# Altium PCB hep-0001.PcbDoc (part 2 of 2)
Units mm, origin at the board's own origin, x right, y up, seen from the top; angles counter-clockwise.
Board outline 120.4 x 43.4 mm, 4 copper layers (Top Layer, Signal_1, Signal_2, GND), stack 1.57 mm thick; 172 components, 149 nets, 569 pads, 218 vias.
Unrouted connection lines stored in the file: 1.
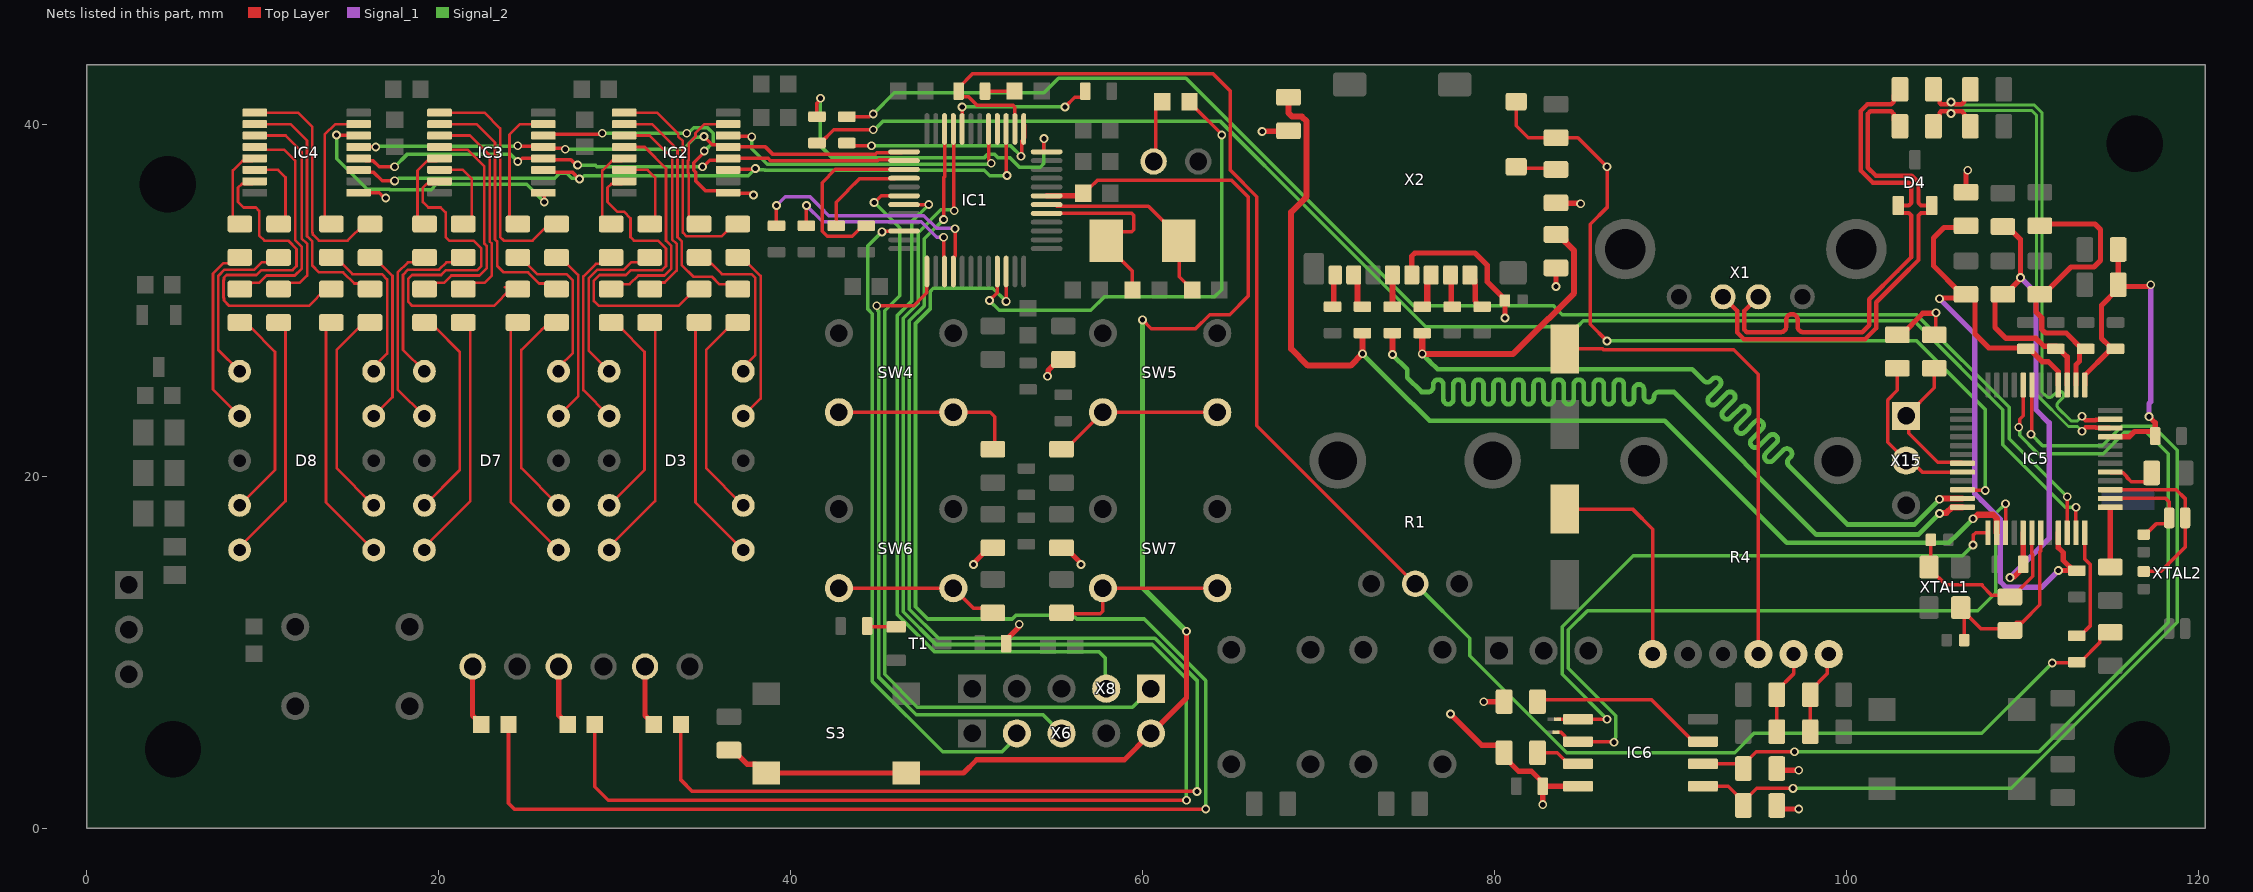
[diagram p4: the nets of this part, all layers, seen from the top]

## Via types
v1: diameter 0.5, hole 0.3, Top Layer to GND, tented bottom, 199 vias
v2: diameter 0.5, hole 0.3, Top Layer to GND, 12 vias
v3: diameter 0.4, hole 0.2, Top Layer to GND, tented bottom, 7 vias

## Nets (pads, with @x,y where several pads share a name; then routed paths per layer and width w, separated by ;. In a path a pad name is that pad's centre, name@x,y a point inside that pad or via, vN(x,y) a via of type N, cw(c..) or ccw(c..) an arc to the next point about the centre after c; other vN are vias at no path point) (continued)
IOVDD: C8.2 C48.1 IC6.8 R41.1 R44.1 R46.1 R47.2 R50.2 R56.1 R57.1 R58.1 R59.1 R70.2 R71.2 R72.2 R76.2 R80.1 X2.4 | length 37.7
  Top Layer w0.2: R47.2@105.075,28.15 v2@105.075,29.275
  Top Layer w0.3: v1(50.4,15) 50.438,15.038 50.438,15.113 51.375,16.05 R44.1@51.5,16.05 ; R59.1@52.25,10.5 52.25,10.7 52.962,11.412 52.962,11.562 v1(53,11.6) ; v1(54.6,25.7) 54.638,25.738 54.638,26.013 55.275,26.65 R41.1@55.5,26.65 ; R46.1@55.4,15.95 55.625,15.95 56.462,15.113 56.462,15.038 v1(56.5,15) ; v1(66.8,39.6) 66.825,39.625 68.275,39.625 R58.1@68.3,39.65 ; X2.4@75.305,31.45 75.305,32.529 75.481,32.705 78.895,32.705 79.6,32 79.6,31.05 80.6,30.05 C48.1@80.6,30 v1(80.6,29) ; v1(77.5,6.5) 79.269,4.731 80.225,4.731 80.55,4.406 R70.2@80.55,4.3 80.55,4.075 81.375,3.25 82.1,3.25 82.75,2.6 C8.2@82.75,2.4 ; v1(79.4,7.2) R71.2@80.55,7.2 ; v1@82.7,1.3 v1(82.75,1.35) C8.2@82.75,2.4 ; v1(83.5,30.8) R57.1@83.5,31.85 ; R80.1@83.75,35.5 83.775,35.525 84.875,35.525 v1(84.9,35.5) ; IC6.8@84.75,2.395 84.748,2.398 82.753,2.398 C8.2@82.75,2.4 ; R72.2@96.35,1.1 v1(97.3,1.1) ; R76.2@96.35,3.3 v1(97.3,3.3) ; R50.2@103,28.15 R50.2@102.9,28.05 103.125,28.05 104.35,29.275 105.075,29.275 v2(105.1,29.3) ; R56.1@106.8,36.05 106.8,37.246 106.9,37.346 v1(106.9,37.4)
LED1: IC1.45 R2.2 | length 27.2
  Top Layer w0.2: v1(51.3,30) 51.75,30.45 IC1.45@51.75,31.65 ; R2.2@62.67,41.3 62.67,41.275 64.5,39.445 v1(64.5,39.4)
  Signal_2 w0.2: v1(51.3,30) 51.85,29.45 57.07,29.45 57.82,30.2 64.083,30.2 64.5,30.617 v1(64.5,39.4)
LED2: IC1.46 R3.2 | length 94.6
  Top Layer w0.2: R3.2@23.97,5.9 23.97,1.43 24.3,1.1 v1(63.6,1.1) ; v1@52.2,29.9 v1(52.25,29.95) IC1.46@52.25,31.65
  Signal_2 w0.2: v1@52.2,30 51.5,30.7 48.117,30.7 47.95,30.533 47.95,29.545 47.1,28.695 47.1,13.14 47.1,12.605 47.805,11.9 48.34,11.9 52.593,11.9 52.793,12.1 56.058,12.1 56.258,11.9 60.103,11.9 63.6,8.403 v1(63.6,1.1)
LED3: IC1.21 R5.2 | length 91.2
  Top Layer w0.2: R5.2@28.87,5.9 28.87,2.37 29.64,1.6 v1(62.5,1.6) ; IC1.21@49.25,39.75 49.265,39.735 49.265,35.135 v1(49.3,35.1)
  Signal_2 w0.2: v1(49.3,35.1) 49.25,35.15 48.543,35.15 47.25,33.857 47.25,29.835 46.4,28.985 46.4,12.85 46.4,12.315 48.265,10.45 48.8,10.45 60.563,10.45 62.5,8.513 v1(62.5,1.6)
LED4: IC1.22 R10.2 | length 85.2
  Top Layer w0.2: R10.2@33.77,5.9 33.77,2.747 34.417,2.1 v1(63.1,2.1) ; v1(48.7,34.6) 48.7,36.991 48.75,37.041 IC1.22@48.75,39.75
  Signal_2 w0.2: v1(48.7,34.6) 47.6,33.5 47.6,29.69 46.75,28.84 46.75,12.46 48.41,10.8 60.708,10.8 63.1,8.408 v1(63.1,2.1)
NetC6_1: C6.1 IC1.5 Y1.1 | length 10.4
  Top Layer w0.2: IC1.5@54.55,34.95 59.383,34.95 59.5,34.833 59.5,34.017 59.383,33.9 58.45,33.9 Y1.1@57.95,33.4 ; Y1.1@58.2,32.8 58.3,32.8 59.43,31.67 C6.1@59.43,30.6
NetC9_1: C9.1 R67.1 | length 1.8
  Top Layer w0.2: R67.1@50.9,41.9 C9.1@52.73,41.9
NetC10_1: C10.1 IC1.6 Y1.2 | length 11.1
  Top Layer w0.2: IC1.6@55,35.5 55.14,35.36 60.34,35.36 62.05,33.65 Y1.2@62.05,33.4 ; Y1.2@62.1,33.3 62.1,31.355 62.83,30.625 C10.1@62.83,30.6
NetC13_2: C13.2 R4.3 R77.1 | length 4.8
  Top Layer w0.2: C13.2@96.05,5.5 R77.1@96.05,7.6 96.05,7.825 97,8.775 R4.3@97,9.9
NetC30_2: C30.2 C31.2 IC5.2 R49.2 | length 16.6
  Top Layer w0.3: R49.2@111.3,34.35 114.128,34.35 114.45,34.028 114.45,32.27 114.08,31.9 112.775,31.9 111.325,30.45 111.208,30.45 110.783,30.025 110.783,29.347 111.1,29.03 111.1,28.37 111.32,28.15 112.5,28.15 C31.2@113.4,27.25 ; IC5.2@113.05,25.2 113.05,26.35 113.25,26.55 113.25,27.1 C31.2@113.4,27.25 ; C31.2@113.6,27.25 C31.2@113.4,27.25
NetC32_2: C32.2 C33.2 C34.2 IC5.1 IC5.45 R52.2 | length 22.2
  Top Layer w0.3: IC5.1@113.55,25.2 113.55,25.75 114.9,27.1 115.1,27.1 115.15,27.1 115.2,27.15 C32.2@115.3,27.25 ; IC5.45@115,22.25 116.072,22.25 116.372,22.55 117.45,22.55 117.6,22.4 117.6,22.3 117.554,22.346 117.554,22.55 117.554,23.046 v1(117.2,23.4) ; C32.2@115.1,27.25 114.95,27.4 114.5,27.85 114.5,29.725 C34.2@115.4,30.625 ; R52.2@115.45,32.9 115.45,31.25 C34.2@115.5,31.2 ; C34.2@115.5,30.8 117.146,30.8 117.246,30.9 v1(117.3,30.9)
  Signal_1 w0.3: v1(117.2,23.4) 117.2,24.15 117.3,24.25 v1(117.3,30.9)
NetC35_2: C35.2 IC5.31 R55.2 XTAL1.1 | length 11.8
  Top Layer w0.2: C35.2@106.7,10.7 106.7,12.4 106.55,12.55 106.9,12.55 106.9,12.1 107.65,11.35 109.3,11.35 109.663,11.713 110.013,11.713 111,12.7 111,15.707 111.05,15.757 IC5.31@111.05,16.8
NetC36_2: C36.2 IC5.30 R55.1 XTAL1.3 | length 11.2
  Top Layer w0.2: XTAL1.3@104.75,14.85 104.8,14.9 XTAL1.3@104.8,14.98 ; C36.2@104.8,16.4 XTAL1.3@104.8,14.98 ; IC5.30@110.55,16.8 110.55,15.61 110.58,15.58 110.6,15.56 110.6,14.325 109.525,13.25 108.25,13.25 107.72,13.78 107.72,13.833 105.667,13.833 104.8,14.7 104.8,14.85 XTAL1.3@104.8,14.98
NetC37_2: C37.2 C40.2 C41.2 IC5.3 IC5.29 R54.2 | length 34.5
  Top Layer w0.3: C40.2@108.9,30.35 108.775,30.35 108.45,30.025 108.45,28.472 109.072,27.85 110.78,27.85 111.23,27.4 111.95,27.4 112.55,26.8 IC5.3@112.55,25.2 ; C40.2@109.125,30.45 109.9,31.225 109.9,33.475 109.45,33.925 R54.2@109.225,34.15 ; v1(109.3,14.25) 109.338,14.288 109.538,14.288 110.05,14.8 C37.2@110.05,15 110.05,16.25 IC5.29@110.05,16.8
  Signal_1 w0.3: v1(109.3,14.25) 111.525,16.475 111.525,23.048 110.783,23.79 110.783,30.417 v1(109.9,31.3)
NetC38_2: C38.2 IC5.38 XTAL2.1 | length 6.3
  Top Layer w0.2: IC5.38@115,18.75 118.15,18.75 118.35,18.55 XTAL2.1@118.35,17.65 118.35,17.496 118.154,17.3 117.6,17.3 117.2,16.9 117.1,16.9 C38.2@116.9,16.7
NetC39_2: C39.2 IC5.39 XTAL2.4 | length 10.2
  Top Layer w0.2: IC5.39@115,19.25 118.75,19.25 119.25,18.75 XTAL2.4@119.25,17.65 119.25,15.975 117.875,14.6 C39.2@116.9,14.6
NetC42_2: C42.2 IC5.37 | length 3.4
  Top Layer w0.3: C42.2@115,14.85 IC5.37@115,18.25
NetC43_2: C43.2 IC5.41 | length 2.9
  Top Layer w0.2: IC5.41@115,20.25 115.05,20.2 115.732,20.2 115.95,19.982 115.95,19.943 116.193,19.7 116.976,19.7 117.35,20.074 C43.2@117.35,20.2
NetC44_2: C44.2 C45.2 C46.2 IC5.4 IC5.33 R56.2 | length 42
  Top Layer w0.3: v1(105.3,30.1) 105.338,30.138 106.713,30.138 107.006,30.431 106.494,30.431 104.95,31.975 104.95,33.55 105.55,34.15 R56.2@106.8,34.15 ; C45.2@106.988,30.45 107.313,30.125 107.313,28.087 108.1,27.3 110.35,27.3 111.124,26.526 111.476,26.526 112.05,25.952 IC5.4@112.05,25.2 ; v1(112.05,14.65) C46.2@112.9,14.65 ; IC5.33@112.05,16.8 112.05,15.948 112.326,15.672 112.326,15.224 C46.2@112.9,14.65 ; C46.2@113.1,14.65 C46.2@112.9,14.65
  Signal_1 w0.3: v1(105.3,30.1) 107.3,28.1 107.3,19.022 107.672,18.65 108.75,17.572 108.75,14.022 109.072,13.7 111.1,13.7 v1(112.05,14.65)
NetC47_2: C47.2 R4.6 R78.1 | length 4.8
  Top Layer w0.2: C47.2@97.95,5.5 R78.1@97.95,7.6 97.95,7.825 98.925,8.8 98.925,9.825 R4.6@99,9.9
NetC49_1: C49.1 R4.5 | length 12.6
  Top Layer w0.2: C49.1@84,18.15 87.85,18.15 89,17 R4.5@89,9.9
NetC50_1: C50.1 R4.2 | length 27.5
  Top Layer w0.2: C50.1@84,27.25 86.143,27.25 86.193,27.2 93.6,27.2 95,25.8 R4.2@95,9.9
NetD1_2: D1.2 R5.1 | length 3.5
  Top Layer w0.3: D1.2@26.83,9.2 26.83,6.425 27.33,5.925 R5.1@27.33,5.9
NetD2_2: D2.2 R3.1 | length 3.5
  Top Layer w0.3: D2.2@21.93,9.2 21.93,6.425 22.43,5.925 R3.1@22.43,5.9
NetD3_1: D3.1 R14.2 | length 9.7
  Top Layer w0.15: D3.1@29.69,25.98 28.525,27.145 28.525,31.249 29.026,31.75 30.285,31.75 30.524,31.75 30.942,32.169 31.494,32.169 R14.2@31.775,32.45 ; R14.2@32.075,32.45 R14.2@32.3,32.45
NetD3_2: D3.2 R9.2 | length 10.6
  Top Layer w0.15: D3.2@29.69,23.44 28.225,24.905 28.225,31.374 28.938,32.087 29.437,32.087 R9.2@29.8,32.45
NetD3_4: D3.4 R20.1 | length 11.9
  Top Layer w0.15: D3.4@29.69,18.36 31.7,20.37 31.7,27.084 30.3,28.484 R20.1@30.3,28.85
NetD3_5: D3.5 R19.1 | length 14
  Top Layer w0.15: D3.5@29.69,15.82 29.69,15.99 32.3,18.6 R19.1@32.3,28.75
NetD3_6: D3.6 R17.2 | length 14.1
  Top Layer w0.15: R17.2@34.809,28.75 34.6,28.541 34.6,18.53 D3.6@37.31,15.82
NetD3_7: D3.7 R18.1 | length 11.9
  Top Layer w0.15: R18.1@36.6,28.85 36.6,28.59 36.36,28.35 35.2,27.19 35.2,20.47 D3.7@37.31,18.36
NetD3_9: D3.9 R15.1 | length 10.1
  Top Layer w0.15: R15.1@37.009,32.45 37.25,32.45 38.3,31.4 38.3,24.43 D3.9@37.31,23.44
NetD3_10: D3.10 R11.1 | length 9.3
  Top Layer w0.15: R11.1@34.809,32.45 35.182,32.077 35.523,32.077 36.1,31.5 37.776,31.5 38,31.276 38,26.9 37.31,26.21 D3.10@37.31,25.98
NetD7_1: D7.1 R25.2 | length 9.9
  Top Layer w0.15: D7.1@19.19,25.98 17.975,27.195 17.975,31.461 18.264,31.75 20.024,31.75 20.442,32.169 20.994,32.169 R25.2@21.275,32.45 ; R25.2@21.575,32.45 R25.2@21.8,32.45
NetD7_2: D7.2 R21.2 | length 10.8
  Top Layer w0.15: D7.2@19.19,23.44 17.675,24.955 17.675,31.586 18.258,32.169 19.019,32.169 R21.2@19.3,32.45
NetD7_4: D7.4 R31.1 | length 11.9
  Top Layer w0.15: D7.4@19.19,18.36 21.2,20.37 21.2,27.084 19.8,28.484 R31.1@19.8,28.85
NetD7_5: D7.5 R30.1 | length 14
  Top Layer w0.15: D7.5@19.19,15.82 19.19,15.99 21.8,18.6 R30.1@21.8,28.75
NetD7_6: D7.6 R28.2 | length 14.1
  Top Layer w0.15: R28.2@24.309,28.75 24.1,28.541 24.1,18.53 D7.6@26.81,15.82
NetD7_7: D7.7 R29.1 | length 11.9
  Top Layer w0.15: R29.1@26.1,28.85 26.1,28.59 25.86,28.35 24.7,27.19 24.7,20.47 D7.7@26.81,18.36
NetD7_9: D7.9 R27.1 | length 10.1
  Top Layer w0.15: R27.1@26.75,32.45 26.925,32.45 27.925,31.45 27.925,24.555 D7.9@26.81,23.44
NetD7_10: D7.10 R22.1 | length 9.4
  Top Layer w0.15: R22.1@24.309,32.45 24.682,32.077 25.023,32.077 25.6,31.5 27.276,31.5 27.6,31.176 27.6,31.174 27.625,31.149 27.625,27.025 26.81,26.21 D7.10@26.81,25.98
NetD8_1: D8.1 R34.2 | length 9.9
  Top Layer w0.15: D8.1@8.69,25.98 7.475,27.195 7.475,31.399 7.826,31.75 9.524,31.75 9.942,32.169 10.494,32.169 R34.2@10.775,32.45 ; R34.2@11.075,32.45 R34.2@11.3,32.45
NetD8_2: D8.2 R32.2 | length 10.7
  Top Layer w0.15: D8.2@8.69,23.44 7.175,24.955 7.175,31.524 7.775,32.124 8.474,32.124 R32.2@8.8,32.45
NetD8_4: D8.4 R39.1 | length 11.9
  Top Layer w0.15: D8.4@8.69,18.36 10.7,20.37 10.7,27.084 9.3,28.484 R39.1@9.3,28.85
NetD8_5: D8.5 R38.1 | length 14
  Top Layer w0.15: D8.5@8.69,15.82 8.69,15.99 11.3,18.6 R38.1@11.3,28.75
NetD8_6: D8.6 R36.2 | length 14.1
  Top Layer w0.15: R36.2@13.809,28.75 13.6,28.541 13.6,18.53 D8.6@16.31,15.82
NetD8_7: D8.7 R37.1 | length 11.9
  Top Layer w0.15: R37.1@15.6,28.85 15.6,28.59 15.36,28.35 14.2,27.19 14.2,20.47 D8.7@16.31,18.36
NetD8_9: D8.9 R35.1 | length 10
  Top Layer w0.15: R35.1@16.25,32.45 16.325,32.45 17.375,31.4 17.375,24.505 D8.9@16.31,23.44
NetD8_10: D8.10 R33.1 | length 9.3
  Top Layer w0.15: R33.1@13.809,32.45 14.182,32.077 14.523,32.077 15.1,31.5 16.776,31.5 17.075,31.201 17.075,26.975 16.31,26.21 D8.10@16.31,25.98
NetD9_2: D9.2 R10.1 | length 3.5
  Top Layer w0.3: D9.2@31.73,9.2 31.73,6.425 32.23,5.925 R10.1@32.23,5.9
NetD10_2: D10.2 R2.1 | length 3.5
  Top Layer w0.2: D10.2@60.7,38 60.765,38.065 60.765,40.935 R2.1@61.13,41.3
NetIC1_20: IC1.20 R26.1 | length 8.8
  Top Layer w0.2: IC1.20@49.75,39.75 v2(49.75,41) 49.75,41.05 v2@49.8,41.1 ; v2(55.6,41) 56.15,41.55 56.55,41.55 56.7,41.7 R26.1@56.7,41.9
  Signal_2 w0.2: v2(49.75,41) v2(55.6,41)
NetIC1_27: IC1.27 R61.1 | length 10.6
  Top Layer w0.2: R61.1@44.3,34.2 44.05,34.2 43.5,33.65 42.09,33.65 41.8,33.94 41.8,36.7 42.55,37.45 IC1.27@46.45,37.45
NetIC1_28: IC1.28 R82.1 | length 5.2
  Top Layer w0.2: R82.1@42.6,34.25 42.6,35.587 43.25,36.237 43.25,36.257 43.918,36.925 IC1.28@45.915,36.925
NetIC1_30: IC1.30 X8.1 | length 46
  Top Layer w0.2: v1(44.75,35.575) 44.778,35.575 45.153,35.95 IC1.30@46.45,35.95
  Signal_2 w0.2: v1(44.75,35.575) 46.2,34.125 46.2,30.27 45.35,29.42 45.35,8.75 47.21,6.89 59.43,6.89 X8.1@60.48,7.94
NetIC1_31: IC1.31 X8.2 | length 40.1
  Top Layer w0.2: IC1.31@46.45,35.45 v1(47.85,35.45) v1@47.9,35.5
  Signal_2 w0.2: v1(47.85,35.45) 46.9,34.5 46.9,29.98 46.05,29.13 46.05,12.17 48.17,10.05 57.506,10.05 57.895,9.661 X8.2@57.895,7.985
NetIC1_39: IC1.39 R62.1 | length 11.7
  Top Layer w0.2: R62.1@40.9,34.25 v1(40.9,35.4) ; v1(48.7,33.6) 48.7,32.482 48.75,32.432 IC1.39@48.75,31.65
  Signal_1 w0.2: v1(40.9,35.4) 41.829,34.471 47.434,34.471 48.305,33.6 v1(48.7,33.6)
NetIC1_40: IC1.40 R68.1 | length 14.7
  Top Layer w0.2: R68.1@39.2,34.25 v1(39.2,35.4) ; IC1.40@49.25,31.65 49.25,32.432 49.35,32.532 v1(49.35,34.075)
  Signal_1 w0.2: v1@39.202,35.498 39.298,35.498 39.7,35.9 41.107,35.9 41.643,35.364 41.643,35.357 42.179,34.821 47.579,34.821 48.3,34.1 49.325,34.1 v1(49.35,34.075)
NetIC2_1: IC2.1 R15.2 | length 12.8
  Top Layer w0.15: IC2.1@30.55,40.675 32.4,40.675 33.625,39.45 33.625,39.303 33.875,39.053 33.875,33.851 34.076,33.65 36.075,33.65 36.775,34.35 R15.2@37,34.35
NetIC2_2: IC2.2 R18.2 | length 13.9
  Top Layer w0.15: IC2.2@30.55,40.025 32.126,40.025 33.575,38.576 33.575,33.601 33.825,33.351 33.825,32.001 34.476,31.35 35.524,31.35 35.942,30.931 36.719,30.931 R18.2@36.9,30.75
NetIC2_3: IC2.3 R19.2 | length 11.7
  Top Layer w0.15: IC2.3@30.55,39.375 31.992,39.375 33.275,38.092 33.275,33.476 33.525,33.226 33.525,31.703 32.845,31.023 32.382,31.023 R19.2@32.009,30.65
NetIC2_4: IC2.4 R20.2 | length 12.4
  Top Layer w0.15: R20.2@30.034,30.65 30.315,30.931 30.858,30.931 31.351,31.425 32.823,31.425 33.225,31.827 33.225,33.102 32.925,33.402 32.925,37.513 31.713,38.725 IC2.4@30.55,38.725
NetIC2_5: IC2.5 R9.1 | length 4.9
  Top Layer w0.15: R9.1@29.899,34.35 29.697,34.35 29.3,34.747 29.3,37.385 29.84,37.925 30.4,37.925 IC2.5@30.55,38.075
NetIC2_6: IC2.6 R14.1 | length 4.7
  Top Layer w0.15: IC2.6@30.55,37.425 31.875,37.425 32.3,37 32.3,34.65 R14.1@32,34.35
NetIC2_7: IC2.7 R17.1 | length 20.3
  Top Layer w0.15: IC2.7@30.55,36.775 30.4,36.625 29.813,36.625 29.6,36.412 29.6,35.6 30.15,35.05 30.524,35.05 30.9,34.674 30.9,33.6 31.1,33.4 32.474,33.4 32.925,32.949 32.925,32.677 32.925,32.493 32.925,31.951 32.699,31.725 30.923,31.725 30.648,31.45 29.15,31.45 28.825,31.125 28.825,29.975 29.1,29.7 33.634,29.7 34.584,30.65 R17.1@34.809,30.65 ; R17.1@34.275,30.75 R17.1@34.5,30.75
NetIC2_15: IC2.15 R11.2 | length 7.8
  Top Layer w0.15: R11.2@34.8,34.35 34.615,34.35 34.219,34.747 34.219,37.215 34.175,37.258 34.175,37.942 34.219,37.985 34.219,38.947 34.6,39.328 34.6,39.522 35.103,40.025 IC2.15@36.45,40.025
NetIC3_1: IC3.1 R27.2 | length 13.5
  Top Layer w0.15: IC3.1@20.05,40.675 22.609,40.675 23.5,39.784 23.5,33.6 23.7,33.4 25.334,33.4 26.284,34.35 R27.2@26.5,34.35
NetIC3_2: IC3.2 R29.2 | length 14.2
  Top Layer w0.15: IC3.2@20.05,40.025 22.143,40.025 23.2,38.968 23.2,33.476 23.325,33.351 23.325,31.975 23.7,31.6 25.076,31.6 25.706,30.97 26.18,30.97 R29.2@26.4,30.75
NetIC3_3: IC3.3 R30.2 | length 12
  Top Layer w0.15: IC3.3@20.05,39.375 21.78,39.375 22.9,38.255 22.9,33.351 23.025,33.226 23.025,31.425 22.6,31 21.859,31 R30.2@21.509,30.65
NetIC3_4: IC3.4 R31.2 | length 12.5
  Top Layer w0.15: R31.2@19.534,30.65 19.884,31 20.3,31 20.725,31.425 22.323,31.425 22.725,31.827 22.725,33.102 22.6,33.227 22.6,37.603 21.628,38.575 20.2,38.575 IC3.4@20.05,38.725
NetIC3_5: IC3.5 R21.1 | length 4.9
  Top Layer w0.15: R21.1@19.399,34.35 19.197,34.35 18.8,34.747 18.8,37.385 19.34,37.925 19.9,37.925 IC3.5@20.05,38.075
NetIC3_6: IC3.6 R25.1 | length 4.8
  Top Layer w0.15: IC3.6@20.05,37.425 21.375,37.425 21.875,36.925 21.875,34.725 R25.1@21.5,34.35
NetIC3_7: IC3.7 R28.1 | length 20.7
  Top Layer w0.15: IC3.7@20.05,36.775 19.9,36.625 19.313,36.625 19.1,36.412 19.1,35.6 19.413,35.287 20.113,35.287 20.4,35 20.4,33.6 20.6,33.4 21.974,33.4 22.425,32.949 22.425,32.493 22.425,31.951 22.199,31.725 20.423,31.725 20.148,31.45 18.488,31.45 18.275,31.237 18.275,29.925 18.5,29.7 23.134,29.7 24.084,30.65 R28.1@24.309,30.65 ; 23.775,30.75 R28.1@24,30.75
NetIC3_15: IC3.15 R22.2 | length 7.1
  Top Layer w0.15: R22.2@24.25,34.7 24.072,34.7 24.025,34.747 24.025,39.425 24.625,40.025 IC3.15@25.95,40.025
NetIC4_1: IC4.1 R35.2 | length 13.4
  Top Layer w0.15: IC4.1@9.55,40.675 12.019,40.675 12.825,39.869 12.825,33.851 12.85,33.826 12.85,33.75 13.2,33.4 14.834,33.4 15.784,34.35 R35.2@16,34.35
NetIC4_2: IC4.2 R37.2 | length 14.2
  Top Layer w0.15: IC4.2@9.55,40.025 11.575,40.025 12.518,39.082 12.518,33.658 12.543,33.633 12.825,33.351 12.825,31.975 13.2,31.6 14.576,31.6 15.206,30.97 15.68,30.97 R37.2@15.9,30.75
NetIC4_3: IC4.3 R38.2 | length 12
  Top Layer w0.15: IC4.3@9.55,39.375 11.301,39.375 12.218,38.458 12.218,33.534 12.525,33.226 12.525,31.425 12.1,31 11.359,31 R38.2@11.009,30.65
NetIC4_4: IC4.4 R39.2 | length 12.6
  Top Layer w0.15: R39.2@9.034,30.65 9.384,31 9.8,31 10.225,31.425 11.823,31.425 12.225,31.827 12.225,33.052 11.85,33.427 11.85,37.95 11.225,38.575 9.7,38.575 IC4.4@9.55,38.725
NetIC4_5: IC4.5 R32.1 | length 4.9
  Top Layer w0.15: R32.1@8.899,34.35 8.697,34.35 8.3,34.747 8.3,37.385 8.84,37.925 9.4,37.925 IC4.5@9.55,38.075
NetIC4_6: IC4.6 R34.1 | length 4.7
  Top Layer w0.15: IC4.6@9.55,37.425 10.875,37.425 11.3,37 11.3,34.65 R34.1@11,34.35
NetIC4_7: IC4.7 R36.1 | length 20.6
  Top Layer w0.15: IC4.7@9.55,36.775 9.4,36.625 8.813,36.625 8.6,36.412 8.6,35.6 8.913,35.287 9.613,35.287 9.8,35.1 9.8,33.7 10.1,33.4 11.453,33.4 11.925,32.928 11.925,32.493 11.925,31.951 11.699,31.725 9.923,31.725 9.648,31.45 7.95,31.45 7.8,31.3 7.8,31.174 7.775,31.149 7.775,30.151 7.8,30.126 7.8,30 8.1,29.7 12.634,29.7 13.584,30.65 R36.1@13.809,30.65 ; R36.1@13.275,30.75 R36.1@13.5,30.75
NetIC4_15: IC4.15 R33.2 | length 7.1
  Top Layer w0.15: R33.2@13.75,34.7 13.572,34.7 13.525,34.747 13.525,39.425 14.125,40.025 IC4.15@15.45,40.025
NetIC5_34: IC5.34 R75.1 | length 83.3
  Top Layer w0.2: R75.1@43.2,40.45 44.469,40.45 44.619,40.6 v1(44.7,40.6) ; v1@112.5,18.9 v1(112.55,18.85) IC5.34@112.55,16.8
  Signal_2 w0.2: v1(44.7,40.6) 45.9,41.8 54.4,41.8 55.23,42.63 62.472,42.63 75.402,29.7 83.361,29.7 83.861,29.2 103.992,29.2 109.25,23.942 109.25,22.15 v1(112.55,18.85)
NetIC5_35: IC5.35 R74.1 | length 84.1
  Top Layer w0.2: R74.1@41.5,38.95 41.7,38.95 42.45,39.7 v1(44.7,39.7) ; IC5.35@113.05,16.8 v1(113.05,18.25) v1@113.1,18.3
  Signal_2 w0.2: v1(44.7,39.7) 44.767,39.7 45.267,40.2 64.407,40.2 69.554,35.054 76.107,28.5 84.699,28.5 84.749,28.55 85.049,28.85 103.847,28.85 104.147,28.55 108.9,23.797 108.9,21.793 112.443,18.25 v1(113.05,18.25)
NetIC5_36: IC5.36 R81.2 | length 6.4
  Top Layer w0.2: R81.2@113.1,10.95 113.3,10.95 113.85,11.5 113.85,15.01 113.55,15.31 IC5.36@113.55,16.8
NetIC6_3: IC6.3 R71.1 | length 10.4
  Top Layer w0.2: R71.1@82.45,7.2 82.55,7.3 88.935,7.3 91.3,4.935 IC6.3@91.85,4.935
NetIC6_7: IC6.7 R70.1 | length 2.6
  Top Layer w0.2: R70.1@82.45,4.3 83.565,4.3 84.2,3.665 IC6.7@84.75,3.665
NetR40_1: R40.1 SW4.2 SW4.4 | length 10.8
  Top Layer w0.2: SW4.2@42.75,23.65 SW4.4@49.25,23.65 51.35,23.65 51.6,23.4 R40.1@51.6,21.6
NetR42_1: R42.1 SW5.2 SW5.4 | length 9.7
  Top Layer w0.2: R42.1@55.4,21.55 55.635,21.55 57.735,23.65 SW5.2@57.75,23.65 SW5.4@64.25,23.65
NetR48_1: R48.1 SW6.2 SW6.4 | length 9.3
  Top Layer w0.2: SW6.2@42.75,13.65 SW6.4@49.25,13.65 50.394,12.506 51.244,12.506 R48.1@51.5,12.25
NetR60_1: R60.1 T1.B | length 1.7
  Top Layer w0.2: R60.1@44.35,11.5 44.4,11.45 T1.B@46,11.45
NetR63_2: R63.2 X2.8 | length 1.7
  Top Layer w0.3: R63.2@70.8,29.65 70.877,29.727 70.877,31.177 X2.8@71,31.3
NetR64_2: R64.2 X2.2 | length 1.8
  Top Layer w0.3: X2.2@77.505,31.45 77.552,31.403 77.552,29.698 R64.2@77.6,29.65
NetR65_2: R65.2 X2.1 | length 2.2
  Top Layer w0.3: X2.1@78.605,31.45 78.88,31.175 78.88,30.914 78.919,30.874 78.919,29.976 78.95,29.945 78.95,29.8 79.1,29.65 R65.2@79.3,29.65
NetR66_2: R66.2 X2.3 | length 2.1
  Top Layer w0.35: R66.2@75.9,29.65 76.058,29.65 76.183,29.775 76.183,31.228 X2.3@76.405,31.45
NetR69_2: R69.2 X2.5 | length 1.8
  Top Layer w0.35: R69.2@74.2,29.65 74.202,29.653 74.202,31.448 X2.5@74.205,31.45
NetR73_2: R73.2 X2.7 | length 2.1
  Top Layer w0.35: X2.7@72.005,31.45 72.221,31.234 72.221,29.775 72.346,29.65 R73.2@72.5,29.65
NetR79_1: R79.1 SW7.2 SW7.4 | length 10.4
  Top Layer w0.2: R79.1@55.4,12.25 55.65,12.5 55.95,12.2 57.6,12.2 57.75,12.35 SW7.2@57.75,13.65 SW7.4@64.25,13.65
NetR80_2: R80.2 X2.9 | length 2.3
  Top Layer w0.2: X2.9@81.24,37.6 81.324,37.516 83.434,37.516 R80.2@83.5,37.45
Poti_1: C11.2 IC1.14 R1.2 R67.2 R81.1 | length 100.7
  Top Layer w0.2: R67.2@49.4,41.9 49.4,41.775 49.6,41.575 50.115,41.575 50.58,41.11 52.633,41.11 52.75,40.993 IC1.14@52.75,39.75 ; R67.2@49.55,41.9 49.55,42.1 50.35,42.9 64,42.9 65,41.9 65,37.395 66.5,35.895 66.5,22.872 75.472,13.9 R1.2@75.5,13.9 ; v1(111.7,9.4) 111.725,9.425 113.025,9.425 113.05,9.4 R81.1@113.1,9.45 113.3,9.45 114.412,10.562 114.412,10.776 114.785,11.15 C11.2@115,11.15
  Signal_2 w0.2: R1.2@75.6,13.8 78.6,10.8 78.6,9.806 84.106,4.3 93.65,4.3 94.75,5.4 107.7,5.4 v1(111.7,9.4)